# KiCad board SBC.kicad_pcb (continued)
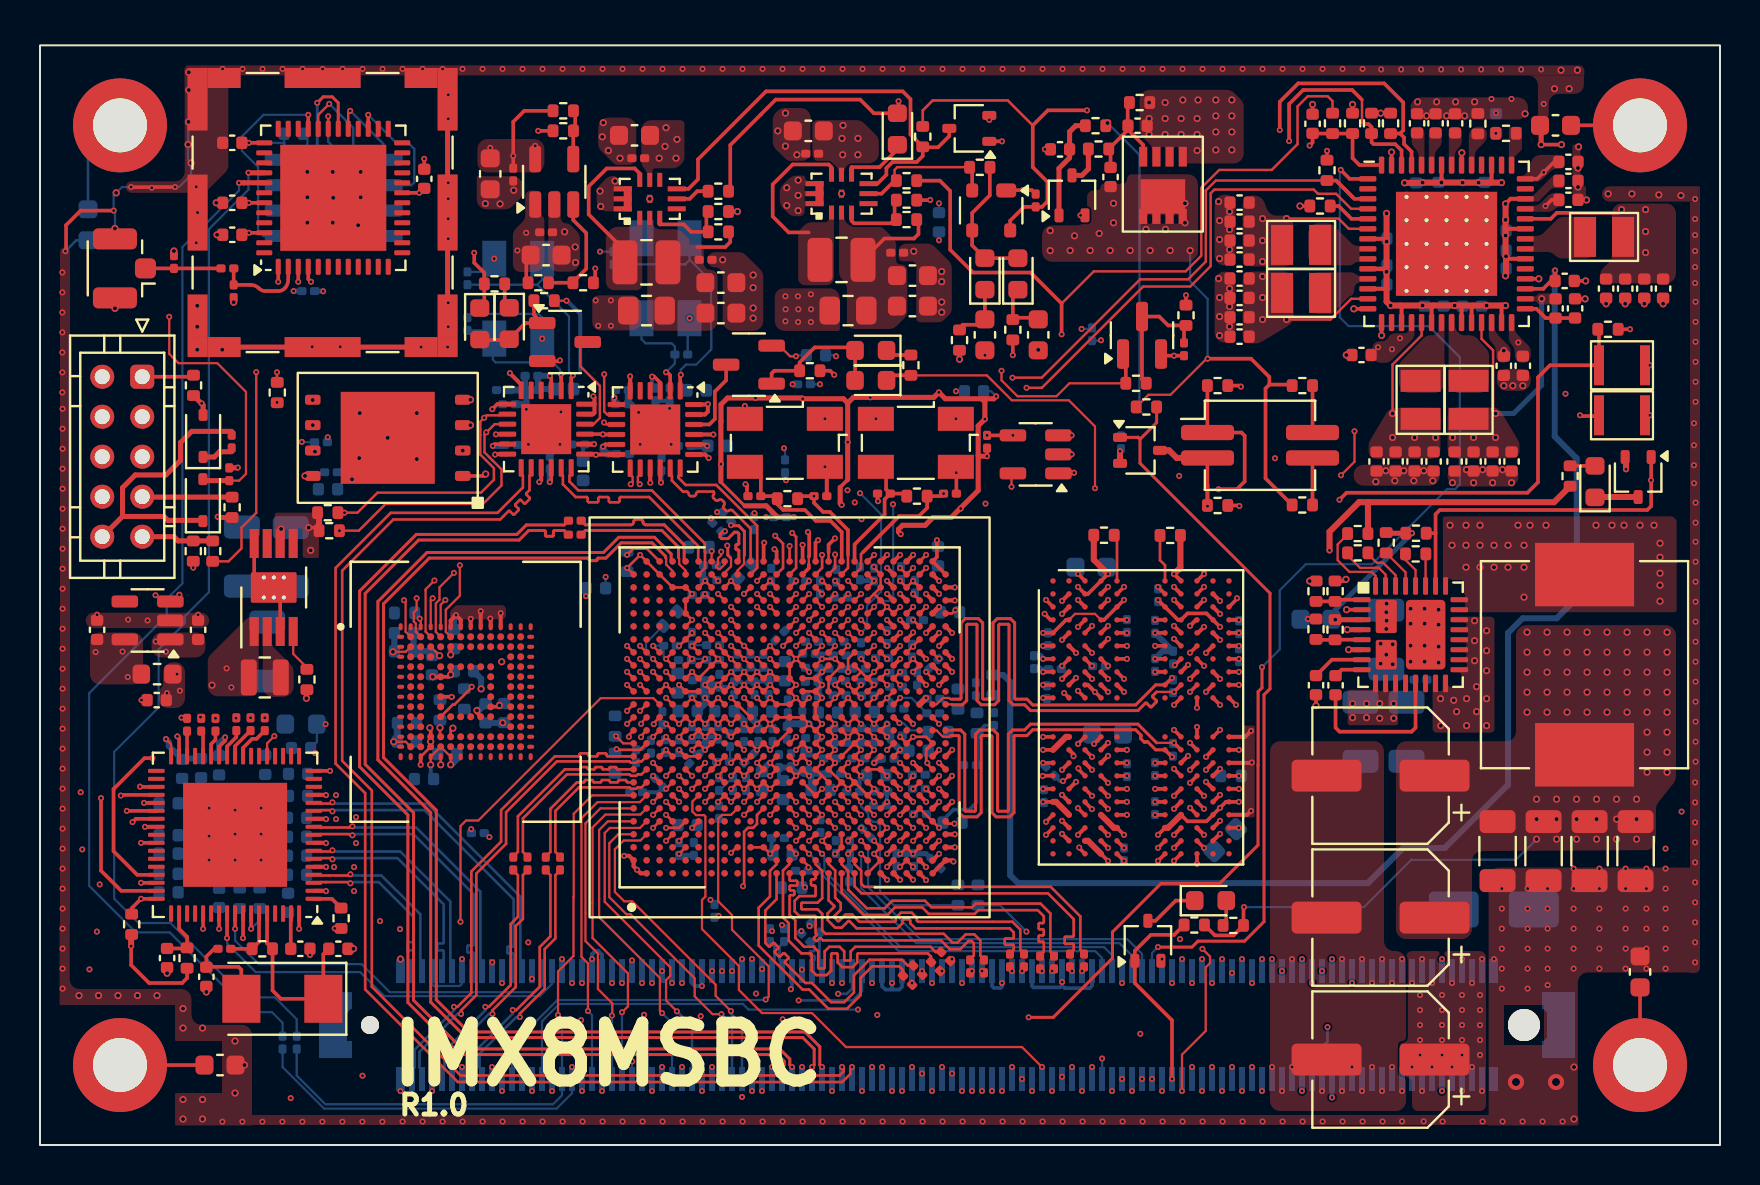
[diagram p0: board, top side]
## Routing (per net, layer and track width the routed paths; a pad name or vN(x,y) marks a point on that pad's centre or on a via; arc(x,y) is an arc through that point) (continued)
VBAT: length 70.5
  T w0.18: C16.2 75.71,49.17 v1(75.18,48.65) 74.86,48.32 U1.42
  IN2 w0.3: v1(63.1,2.7) 67.1,6.7 67.1,8.5 67.6,9 67.6,15.34 64.34,18.6 64.34,29.05 67.29,32 80.5,32 82,33.5 82,42.5 80.5,44 78,44 76,46 76,47.83 v1(75.18,48.65)
VDD_1V: length 4
  T w0.11: U17.34 6.55,20.05 v1(6.3,20.3)
  T w0.18: U17.17 v1(14.5,18.71)
  B w0.3: C329.1 7.14,19.33 ; v1(6.3,20.3) 6.44,20.16 6.44,19.96 C319.1
  vias: v1(2.78,24.65) v1(4.13,24.68) v1(4.39,23.41)
VDD_1V8: length 33.9
  T w0.11: R95.1 v1(26.32,42.23) ; U13.P5 v2(20.03,19.02)
  T w0.12: U1.19 69.08,40.49 67.63,39.04 v2(67.63,36.59)
  T w0.13: U13.P3 U13.N4
  T w0.18: v1(39.71,38.52) 39.51,38.73 R85.1 ; v1(28.71,37.38) 28.71,37.15 U15.7 ; U12.T4 v1(53.4,18.11) ; v2(20.53,24.52) U13.C6 ; v2(19.49,20.86) 19.53,20.82 U13.M4 ; U13.P3 v1(19.03,19.02) ; 19.54,20.41 19.54,19.93 ; U16.7 22.86,37.06 v1(22.61,36.81) ; U12.G9 v1(56.74,24.01) ; U12.T9 v1(56.7,18.81) ; U12.U1 v1(50.16,17.81) ; U12.F1 v1(50.16,24.96) ; U12.G4 v1(53.4,23.96) ; U12.U12 v1(59.94,17.81)
  T w0.2: v1(59.94,24.96) U12.F12
  B w0.11: 55.13,36.58 54.98,36.73 54.98,49.52 v2(53.38,51.12)
  B w0.2: 27.01,38.75 27.01,41.57 26.35,42.23 v1(26.32,42.23)
  B w0.35: C296.1 28.71,37.11 v1(28.71,37.38)
  vias: v2(19.53,20.18) v2(67.63,35.39) v2(68.73,35.39) v2(69.78,35.39)
VDD_ARM_0V9: length 19.9
  T w0.13: U9.H14 v1(33.9,22.36) U9.G14 v1(33.25,22.36) ; v1(33.9,23.01) U9.G15 v1(33.25,23.01) U9.G16 ; v1(33.9,23.01) U9.H15 v1(34.55,23.01) 34.88,22.69 v1(35.2,23.01) U9.K15 v1(35.85,23.01) U9.L15 v1(36.5,23.01) U9.M15 ; v1(33.9,23.01) U9.H16 v1(34.55,23.66) 34.88,23.34 v1(35.2,23.66) U9.K16 v1(35.85,23.66) U9.L16 v1(36.5,23.66) U9.M16
  B w0.11: C203.1 36.71,23.22 v1(36.5,23.01) ; C213.1 27.32,27.47 v1(27.3,27.45)
  B w0.2: 36.5,23.26 v1(36.5,23.66) 36.26,23.9 ; C225.2 35.74,23.18 ; 34.95,23.92 v1(35.2,23.66) 35.27,23.66 C195.2 ; C224.1 35.36,23.17 v1(35.2,23.01) 35.05,23.17 C245.2 34.43,22.9 C214.2 ; C236.2 34.62,23.66 v1(34.55,23.66) ; 35.6,23.92 v1(35.85,23.66) 35.94,23.66 C204.2
  B w0.35: 33.19,22.54 33.19,23.25 33.2,23.25 ; v1(33.25,22.36) 33.25,22.1 C194.1 ; v1(33.9,23.01) v1(33.25,23.01)
  vias: v1(27.78,42.25) v1(27.91,40.98) v1(28.54,42.25) v1(28.54,40.98)
VDD_DRAM_0V9: length 19.3
  T w0.13: v1(40.4,20.41) U9.U12 ; v1(40.4,20.41) U9.V12 v1(41.05,20.41) U9.V11 ; v1(40.4,20.41) U9.U11 ; U9.Y18 v1(42.35,24.31) ; U9.V11 v1(41.05,19.76) U9.V10 v1(41.05,19.11) U9.V9 v1(41.05,18.46) ; U9.V11 U9.U10 ; U9.Y20 v1(42.35,25.61) ; U9.V14 v1(40.4,22.36) U9.U14 ; U9.Y10 v1(41.7,19.11) ; U9.Y8 v1(42.35,17.81) ; v1(42.35,23.66) U9.Y16 v1(42.35,23.01) ; U9.V15 v1(41.05,23.01) ; U9.V15 v1(40.4,23.01) ; U9.V15 v1(41.05,22.36) ; U9.Y6 v1(42.35,17.16) ; U9.U13 v1(40.4,21.06) U9.V13 v1(41.05,21.06)
  T w0.18: U1.38 75.54,46.32 75.84,46.62 78.92,46.62 v2(79.08,46.79)
  B w0.2: v1(41.05,18.46) 40.98,18.39 C168.2 ; 42.35,16.98 42.35,17.64
  B w0.35: C239.2 41.91,19.32 v1(41.7,19.11)
  vias: v2(80.28,46.79) v2(80.28,45.69) v2(80.28,44.64)
VDD_GPU_0V9: length 12.8
  T w0.12: U1.6 65.44,45.82 64.93,46.34 v2(62.33,46.34)
  T w0.13: v1(34.55,19.11) 34.88,19.44 v1(35.2,19.11) U9.K10 ; U9.M10 v1(36.5,19.11) U9.M9 v1(36.5,18.46) ; U9.K9 v1(35.2,18.46) 34.88,18.79 v1(34.55,18.46) ; U9.L10 v1(35.85,19.11) U9.L9 v1(35.85,18.46)
  B w0.11: C246.1 34.5,19.2 ; 34.55,18.3 34.03,17.78 ; C155.1 v1(44.95,45.25) ; v1(39.8,39.45) 39.75,39.5 C174.1
  B w0.3: 36.05,18.69 36.49,19.13
  vias: v1(35.72,31.61) v2(61.13,46.34) v2(61.13,45.24) v2(61.13,44.19)
VDD_PHY_0V9: length 13.1
  T w0.13: U9.G22 v1(33.25,27.56) U9.F22 ; U9.C12 v1(30.65,20.41) ; U9.F18 v1(32.6,24.96) U9.F19 ; U9.V3 v1(40.4,14.56) ; U9.E11 v1(31.95,20.41) U9.E12 ; U9.D11 v1(31.3,20.41) U9.C11 ; U9.F17 v1(33.25,24.31) ; U9.E18 v1(32.6,24.31) U9.E17 ; U9.D12 v1(31.3,21.06) ; U9.F23 v1(33.25,28.21) U9.G23 ; U9.U4 U9.U3 v1(39.75,14.56)
  B w0.11: 31.91,23.59 C123.2 ; v1(33.25,24.31) 32.63,24.31 ; C118.2 32.6,25
  B w0.2: C125.1 40.45,14.52 ; C117.1 30.13,19.82 29.8,19.82
  B w0.25: C114.2 33.18,28.28
  vias: v1(66.9,39.9) v1(67.6,39.8) v1(68,40.35)
VDD_PHY_1V8: length 3.2
  T w0.13: U9.C18 v1(30.65,24.96) ; v1(38.42,13.88) 38.42,13.95 U9.P2 ; U9.D17 v1(31.3,24.31) U9.D18
  IN3 w0.5: 38.42,13.83 v1(38.42,13.88)
  B w0.11: v1(31.3,24.31) 31.18,24.44 C232.1 30.66,24.98 v1(30.65,24.96)
  vias: v1(56.6,8.1) v2(73.19,39.73)
VDD_PHY_3V3: length 7.9
  T w0.13: U9.H23 v1(34.55,28.21) 34.88,27.89 ; v1(32.6,19.76) U9.F11 v1(33.25,19.76) U9.G11 v1(33.9,20.41) U9.G12 v1(33.25,20.41) U9.F12 v1(32.6,20.41)
  T w0.18: v1(75.27,46.97) 75.58,47.27 C63.1
  B w0.25: 33.25,20.23 v1(33.25,19.76) 33.15,19.76 C193.1 ; 32.84,19.53 v1(32.6,19.76) ; v1(33.9,20.41) v1(32.6,20.41)
VDD_SNVS_0V9: length 5.4
  T w0.13: U9.R18 v1(39.1,24.96)
  T w0.18: v1(22.51,49.88) 22.51,49.88 C69.1 ; C66.1 23.66,51.18 24.21,51.73 25.56,51.73
  vias: v1(23.66,49.48) v1(24.76,49.98) v1(72.79,50.6)
VDD_SOC_0V9: length 22
  T w0.13: v1(36.5,21.06) U9.L13 v1(35.85,21.06) U9.K12 v1(35.2,21.06) ; v1(36.5,21.06) U9.M12 ; v1(36.5,21.06) U9.L12 ; v1(36.5,21.06) U9.M13 U9.N13 U9.P13 v1(38.45,21.06) ; U9.R12 v1(38.45,21.06) ; U9.R12 v1(39.1,21.06) U9.R13 U9.R14 v1(39.1,22.36) U9.R15 ; U9.R12 v1(39.1,20.41) U9.R11 v1(39.1,19.76) U9.R10 ; v1(38.45,21.06) U9.P12 ; U9.R16 v1(39.1,23.01) U9.R15 ; U9.R16 v1(39.1,23.66) U9.T17 ; U9.R16 U9.P16 ; 39.1,18.46 U9.T8 ; 39.1,18.46 U9.R8 ; 39.1,18.46 U9.R9 v1(39.1,19.11) ; U9.P15 U9.R15
  B w0.11: v1(37.2,34.85) 37.25,34.8 C201.1 ; v1(36.3,31.4) 36.3,31.4 C192.2 ; C252.2 v1(37.63,38.05)
  B w0.25: C210.1 37.39,20.97
  B w0.3: v1(39.1,23.66) 38.9,23.46 C243.2 39.06,23.01 v1(39.1,23.01) 38.93,22.84 C211.2 ; v1(39.1,23.66) 39.26,23.82 FB2.2 ; v1(39.1,23.66) 38.91,23.85
  B w0.35: v1(38.45,21.06) C180.2 37.48,21.06 37.34,20.92 ; 35.6,21.68 35.6,21.32 v1(35.85,21.06) ; v1(35.2,21.06) 35.2,21.2 C191.1
  vias: v1(37.27,42.45) v1(37.28,41.8) v1(37.27,41.2) v1(37.9,42.45) v1(37.92,41.8) v1(37.91,41.16) v1(38.54,42.55) v1(38.55,41.8) v1(38.54,41.16)
VDD_VPU_0V9: length 12.4
  T w0.12: U1.13 65.56,42.32 64.52,41.29 v2(62.33,41.29)
  T w0.13: v1(37.8,18.46) U9.P9 v1(38.45,18.46) ; v1(37.8,18.46) U9.N9 ; v1(37.8,18.46) U9.N8 ; U9.N10 v1(37.8,19.11) U9.P10 v1(38.45,19.11)
  B w0.11: C181.2 53.03,40.23 v1(53.05,40.25)
  B w0.2: C152.1 36.95,18.43 C183.1
  B w0.3: C183.1 37.55,18.88 37.79,18.64 38.33,18.64 38.56,18.41 C130.1 ; C164.1 38.39,18.58
  vias: v2(61.13,43.44) v2(61.13,42.39) v2(61.13,41.29)
VDDA_1V8: length 9
  T w0.13: U9.U23 v1(39.75,28.21) ; U9.K14 v1(35.2,22.36) ; 41.38,23.99 v1(41.05,24.31) ; U9.N11 v1(37.8,20.41) ; 41.38,27.89 v1(41.7,28.21) 41.38,28.54 ; U9.T15 U9.T16 U9.U17 v1(39.75,24.31) v1(39.1,24.31) U9.R17 ; U9.AA11 v1(42.35,19.76)
  B w0.11: C131.2 v1(45.8,37.7)
  B w0.2: 39.1,24.58 v1(39.1,24.31) 39.04,24.31 C135.2 39.1,24.58 ; 39.1,24.58 39.59,24.58
  B w0.25: 41,28.23 41.68,28.23
  vias: v1(73.91,40.14)
VIN: length 21.9
  T w0.25: U2.6 v2(65.43,24.77)
  T w0.3: 66.4,32.15 75.7,32.15 R76.1 ; 66.4,32.15 65.95,32.15 64.48,30.68 v1(64.48,29.74) ; 66.4,32.15 66.4,32.15 R5.1
  IN6 w0.3: v1(64.48,29.74) 64.3,29.57 64.3,25.45 64.97,24.77 v2(65.43,24.77)
  vias: v1(68.6,8.1) v1(68.6,3.9) v1(69,7.5) v1(69,6.75) v1(69,6) v1(69,5.25) v1(69,4.5) v1(69.1,9.3) v1(69.1,2.7) v1(69.6,8.1) v1(69.6,3.9) v1(70.1,7.5) v1(70.1,6.75) v1(70.1,6) v1(70.1,5.25) v1(70.1,4.5) v1(70.6,8.1) v1(70.6,3.9) v1(71.1,9.3) v1(71.1,7.5) v1(71.1,6.75) v1(71.1,6) v1(71.1,5.25) v1(71.1,4.5) v1(71.1,2.7) v1(71.6,8.1) v1(71.6,3.9) v1(72,7.5) v1(72,6.75) v1(72,6) v1(72,5.25) v1(72,4.5) v1(72.1,9.3) v1(72.1,2.7) v2(65.63,22.07) v2(65.63,21.37) v2(66.33,22.07) v2(66.33,21.37) v2(66.98,22.07) v2(66.98,21.35) v2(67.03,25.07) v2(67.03,24.07) v2(67.31,24.52) v2(67.63,25.05) v2(67.63,24.05) v2(67.68,22.07) v2(67.68,21.35)
(no net): length 5.8
  B w0.11: 14.65,5.44 15.32,4.78 J1.222.2 ; J1.222 15.48,6.83 J1.222.1 ; J1.221.1 75.22,6.83 J1.221 75.22,5.18 J1.221.2
/IO/25MHZ_P1I: length 12.9
  T w0.18: U15.1 32.01,38.49 v1(32.04,38.52)
  B w0.11: 32.48,44.27 32.25,44.05 C292.1 ; 32.48,44.27 33.56,43.18 33.56,39.79 32.8,39.03 32.29,39.03 32.04,38.78 v1(32.04,38.52) ; 32.48,44.27 Y3.3
/IO/25MHZ_P1O: length 5.4
  T w0.18: U15.2 31.51,38.5 31.36,38.65 v1(31.3,38.65)
  B w0.11: v1(31.3,38.65) 31.75,39.1 C293.1 31.75,39.94 31.58,40.1 30.28,40.1 30.08,40.3 Y3.1
/IO/25MHZ_P2I: length 11
  T w0.18: v1(26.65,38.5) 26.65,38.47 26.56,38.38 U16.1
  B w0.11: Y4.3 25.11,43.28 24.86,43.03 ; v1(26.65,38.5) 26.45,38.7 26.45,41.44 24.86,43.03 ; 24.86,43.03 C301.1
/IO/25MHZ_P2O: length 6.5
  T w0.18: v1(26.05,38.55) 26.05,38.4 26.06,38.39 U16.2
  B w0.11: 22.64,40.26 22.64,39.29 22.78,39.15 25.63,39.15 26,38.78 26,38.6 v1(26.05,38.55) ; C302.1 22.3,40.74
/IO/ENET_2.5V_A: length 3.2
  T w0.2: U17.11 14.29,16.31 v1(14.3,16.3) ; v1(14.3,15.1) 14.29,15.11 U17.8 ; v1(14.3,12.7) 14.29,12.71 U17.2
  B w0.11: C321.1 13.84,20.16 FB7.2
  vias: v1(13.75,19.6) v1(14.28,21.05)
/IO/LED0: length 18.6
  T w0.18: U17.60 v1(9.75,10.81)
  B w0.11: J1.A15 25.1,7.99 24.76,7.65 17.48,7.65 16.08,9.05 10.93,9.05 9.75,10.22 v1(9.75,10.81)
/IO/LED1: length 19.7
  T w0.18: U17.59 9.35,10.35 v1(9.35,10.35)
  B w0.11: J1.A16 25.6,8.06 24.98,7.45 17.21,7.45 16.01,8.65 10.78,8.65 9.35,10.07 9.35,10.35 v1(9.35,10.35)
/IO/LNA_IN: length 4.6
  T w0.18: U19.2 12.41,43.29 arc(12.36,43.04) 12.23,42.84 arc(12.09,42.75) 11.92,42.71 11.26,42.71 arc(11.1,42.75) 10.96,42.84 arc(10.76,42.98) 10.52,43.02 C313.1 9.68,43.84
/IO/PCIE1_REQ: length 4.1
  T w0.18: Q8.3 34.31,38.25 33.74,37.69 33.74,36.32 33.47,36.04 U15.22
/IO/PCIE2_REQ: length 5.1
  T w0.12: U16.22 27.68,36.06 27.99,36.37 27.99,37.97 27.01,38.95 27.01,40.15
/IO/RAM_CS: length 4.1
  T w0.12: U19.29 15.41,51.63 v1(15.51,51.73)
  B w0.12: v1(15.51,51.73) 17.16,50.08 U18.1
/IO/SCLK: length 8.3
  T w0.12: v1(14.41,51.45) U19.31
  B w0.12: U18.6 14.72,46.74 15.16,47.18 15.16,49.42 14.41,50.18 v1(14.41,51.45)
/IO/SIO0: length 10.9
  T w0.18: U19.33 v1(13.41,51.53)
  B w0.11: U18.5 11.18,45.47 10.91,45.74 10.91,48.91 10.09,49.73 10.09,50.45 11.18,51.53 v1(13.41,51.53)
/IO/SIO1: length 7
  T w0.18: U19.27 v1(16.41,51.53)
  B w0.11: U18.2 18.57,48.01 18.71,48.16 18.71,49.83 18.37,50.17 17.77,50.17 v1(16.41,51.53)
/IO/SIO2: length 8.7
  T w0.12: U19.32 13.91,51.53 v1(14.46,52.08)
  B w0.12: U18.3 15.9,46.74 15.66,46.98 15.66,50.88 v1(14.46,52.08)
/IO/SIO3: length 8.2
  T w0.15: v1(13.86,52.13) 14.16,52.43 14.61,52.43 14.91,52.13 U19.30
  B w0.15: v1(13.86,52.13) 13.86,48.29 13.58,48.01 U18.7
/IO/XTAL1: length 2.8
  T w0.18: 9.73,9.81 R109.1 10.95,10.16 U17.63
/IO/XTAL2: length 9.3
  T w0.18: C320.1 14.17,9.54 Y5.1 12.04,7.31 11.63,7.73 R109.2 11.35,10.09 U17.64
/MPU/25MHZ_I: length 7.2
  T w0.18: 40.09,29.2 40.09,30.65 39.52,31.22 38.79,31.22 38.24,31.77 37.15,31.77 36.86,32.06 R54.2 ; 36.73,32.46 C133.1 36.04,33.45
/MPU/25MHZ_O: length 9.7
  T w0.13: U9.U24 40.4,28.86 40.4,29.53
  T w0.18: 38.01,32.46 v1(38.7,32.46) 38.7,32.12 39.15,31.67 39.49,31.67 40.4,30.76 40.4,29.53
  IN4 w0.11: v1(39.24,36.32) 38.7,35.78 v1(38.7,32.46)
/MPU/27MHZ_I: length 5.7
  T w0.18: U9.V25 40.73,30.04 42.23,31.54 42.23,32.3 C149.1 ; C149.1 42.3,32.79 42.3,33.41 ; C149.1 43.21,32.58
/MPU/27MHZ_O: length 15.1
  T w0.13: U9.V24 41.05,28.86 41.05,29.55 41.15,29.66
  T w0.18: 41.15,29.66 42.95,31.46 43.94,31.46 44.36,31.87 R55.1 45.05,32.46 v1(45.18,32.58)
  IN4 w0.11: v1(45.79,36.32) 43.95,36.32 42.51,34.89 42.51,33.7 43.63,32.58 v1(45.18,32.58)
/MPU/HD0_N: length 14.9
  T w0.13: 46.51,9.29 46.69,9.47 46.69,10.1 46.58,10.21 46.42,10.21 46.01,9.8 45.49,9.8 45.05,10.24 39.14,10.24 39.04,10.34 38.98,10.34 38.85,10.21 38.8,10.21 38.7,10.31 38.7,10.36 38.83,10.5 38.83,10.55 38.78,10.6 38.78,11.42 38.74,11.46 37.97,11.46 37.73,11.69 37.73,12.22 37.97,12.45 38.74,12.45 38.78,12.49 38.78,12.92 arc(38.76,12.97) 38.71,12.98 38.61,12.98 arc(38.57,13) 38.55,13.05 38.55,13.23 arc(38.57,13.28) 38.61,13.29 38.71,13.29 arc(38.76,13.31) 38.78,13.36 U9.R1
/MPU/HD0_P: length 14.9
  T w0.13: 47.2,9.29 47.02,9.47 47.02,10.23 46.71,10.54 46.28,10.54 45.87,10.13 45.62,10.13 45.18,10.57 39.28,10.57 39.11,10.74 39.11,11.56 38.88,11.79 38.1,11.79 38.06,11.83 38.06,12.08 38.1,12.12 38.88,12.12 39.11,12.35 39.11,13.71 38.78,14.04 U9.R2
/MPU/HD1_N: length 14.9
  T w0.13: C111.1 49.2,9.58 49.02,9.77 49.02,10.77 48.62,11.17 43.91,11.17 43.84,11.23 43.84,11.36 43.59,11.62 43.05,11.62 42.79,11.36 42.79,11.23 42.73,11.17 40.97,11.17 40.6,11.53 40.28,11.53 39.95,11.2 39.89,11.2 39.71,11.39 39.71,11.44 40.04,11.77 40.04,12.1 39.76,12.37 39.76,13.73 39.43,14.06 U9.T2
/MPU/HD1_P: length 14.9
  T w0.13: 48.5,9.58 48.68,9.77 48.68,9.98 48.65,10.02 48.27,10.02 48.24,10.06 48.24,10.29 48.27,10.33 48.65,10.33 48.68,10.37 48.68,10.64 48.49,10.84 43.77,10.84 43.51,11.09 43.51,11.23 43.45,11.29 43.18,11.29 43.12,11.23 43.12,11.09 42.87,10.84 40.83,10.84 40.47,11.2 40.41,11.2 40.09,10.87 39.76,10.87 39.38,11.25 39.38,11.58 39.71,11.91 39.71,11.96 39.43,12.24 U9.T1
/MPU/HD2_N: length 14.9
  T w0.13: 50.01,9.48 50.19,9.66 50.19,10.13 50.15,10.17 49.97,10.17 49.93,10.21 49.93,10.44 49.97,10.48 50.15,10.48 50.19,10.52 50.19,10.75 50.15,10.79 49.97,10.79 49.93,10.83 49.93,11.06 49.97,11.1 50.15,11.1 50.19,11.14 50.19,11.45 49.89,11.75 46.92,11.75 46.73,11.56 44.44,11.56 44.11,11.88 42.75,11.88 42.37,11.51 41.2,11.51 40.08,12.63 U9.U1
/MPU/HD2_P: length 14.9
  T w0.13: C104.1 50.7,9.48 50.52,9.66 50.52,11.58 50.02,12.08 46.78,12.08 46.6,11.89 44.57,11.89 44.25,12.22 42.61,12.22 42.24,11.84 41.34,11.84 40.41,12.77 40.41,13.46 40.41,13.46 40.41,13.71 40.08,14.04 U9.U2
/MPU/HD3_N: length 14.9
  T w0.13: U9.V2 40.73,14.04 41.06,13.71 41.06,13.07 41.22,12.92 50.53,12.92 52.02,11.43 52.02,9.77 52.2,9.58 C107.1
/MPU/HD3_P: length 14.9
  T w0.13: U9.V1 40.73,12.94 41.08,12.59 50.4,12.59 51.68,11.3 51.68,10.46 51.65,10.42 51.27,10.42 51.24,10.38 51.24,10.1 51.27,10.06 51.65,10.06 51.68,10.02 51.68,9.77 51.5,9.58
/MPU/HD4_N: length 14.9
  T w0.13: U9.N1 37.48,13.25 37.52,13.22 37.83,13.22 37.86,13.18 37.86,13.01 37.83,12.98 37.52,12.98 37.48,12.94 37.48,12.77 37.52,12.74 37.68,12.74 37.71,12.7 37.71,12.53 37.68,12.5 37.52,12.5 37.48,12.46 37.48,11.52 37.77,11.23 37.77,10.36 38.21,9.92 38.68,9.92 38.91,9.68 38.91,8.87 38.95,8.83 39.19,8.83 39.23,8.87 39.23,9.68 39.46,9.92 39.98,9.92 40.21,9.68 40.21,9.27 40.25,9.23 40.49,9.23 40.53,9.27 40.53,9.68 40.76,9.92 44.53,9.92 44.78,9.66 C109.1
/MPU/HD4_P: length 14.9
  T w0.13: U9.N2 37.48,14.06 37.15,13.73 37.15,11.38 37.43,11.1 37.43,10.22 38.07,9.59 38.54,9.59 38.58,9.55 38.58,8.73 38.81,8.5 39.33,8.5 39.56,8.73 39.56,9.55 39.6,9.59 39.84,9.59 39.88,9.55 39.88,9.13 40.11,8.9 40.63,8.9 40.86,9.13 40.86,9.55 40.9,9.59 44.39,9.59 44.55,9.42 C103.1
/MPU/HD5_N: length 14.9
  T w0.13: U9.M2 36.83,14.04 36.5,13.71 36.5,13.46 36.5,13.46 36.5,12.43 35.93,11.87 35.93,9.97 38.13,7.78 38.46,7.78 39.42,6.82 40.35,6.82 41.02,7.49 41.02,8.35 41.61,8.94 42.96,8.94 43.15,8.75 C108.1
/MPU/HD5_P: length 14.9
  T w0.13: U9.M1 36.83,12.3 36.27,11.73 36.27,10.11 36.44,9.94 36.49,9.94 36.65,10.1 36.71,10.1 36.91,9.9 36.91,9.85 36.74,9.68 36.74,9.63 36.94,9.43 37,9.43 37.16,9.59 37.22,9.59 37.42,9.39 37.42,9.34 37.25,9.17 37.25,9.12 38.27,8.11 38.6,8.11 39.56,7.15 40.21,7.15 40.7,7.63 40.7,8.49 41.47,9.27 43.1,9.27 43.38,8.98 C102.1
/MPU/pi2_N: length 6.8
  T w0.15: C96.1 27.27,31.02 29.54,31.02 arc(29.64,31.06) 29.68,31.16 arc(29.72,31.26) 29.82,31.3 30.01,31.3 arc(30.11,31.26) 30.15,31.16 arc(30.19,31.06) 30.29,31.02 31.21,31.02 32.21,30.02 32.21,29.26 U9.E25
/MPU/pi2_P: length 6.8
  T w0.11: U9.E24 32.28,28.74 31.96,29.06 31.96,29.34 31.93,29.37
  T w0.15: 31.93,29.37 31.93,29.91 31.09,30.74 27.27,30.74 C95.1
/MPU/pi_N: length 3.1
  T w0.15: 34.94,29.25 34.94,29.73 34.9,29.78 34.84,29.78 34.79,29.82 34.79,29.99 34.84,30.04 34.9,30.04 34.94,30.08 34.94,30.57 34.86,30.65 34.72,30.65 34.4,30.33 34.08,30.33 34,30.41 34,30.54 34.16,30.7 v1(34.25,30.7)
/MPU/pi_P: length 3.1
  T w0.11: 35.22,29.5 35.2,29.48 35.2,29.06 34.88,28.74 34.88,28.54
  T w0.15: v1(34.55,31) 34.57,30.98 34.93,30.98 35.22,30.69 35.22,29.5
/MPU/RTC_CLK: length 14.2
  T w0.11: v1(48.57,32.93) 48.57,33.38
  T w0.12: U9.V22 v1(41.05,27.56)
  IN2 w0.11: v1(41.05,27.56) 40.95,27.67 40.95,28.69 40.74,28.91 v1(40.74,32.14)
  IN4 w0.11: v1(48.57,32.93) 46.01,32.93 45.31,32.23 43.46,32.23 42.9,31.67 41.21,31.67 v1(40.74,32.14)
/MPU/RTC_nRST: length 30.2
  T w0.11: v1(48.07,38.73) 48.07,38.25 48.88,37.45 50.82,37.45 51.48,38.1 R61.1
  T w0.12: 41.38,25.29 v1(41.7,25.61)
  T w0.18: R61.1 54.29,39.42
  IN4 w0.11: v1(48.07,38.73) 42.43,38.73 39.64,35.94 39.64,33.05 39.53,32.95 39.53,31.55 40.43,30.65 40.43,29.07 42,27.5 42,25.91 v1(41.7,25.61)
/MPU/U1_RX_N: length 15.7
  T w0.13: v1(30.05,20.4) 30.05,20.46 U9.B12
  IN2 w0.12: v1(38.47,10.96) 38.27,10.96 38.02,11.2 37.74,11.2 36.82,12.12 34.78,12.12 34.42,12.48 34.42,12.6 34.18,12.84 34.06,12.84 33.66,13.24 32.52,13.24 29.89,15.87 29.89,20.25 v1(30.05,20.4)
/MPU/U1_RX_P: length 15.7
  T w0.13: v1(29.44,20.42) 29.44,20.5 U9.A12
  IN2 w0.12: v1(38.07,10.7) 38.07,10.76 37.91,10.92 37.62,10.92 36.7,11.84 34.66,11.84 33.54,12.96 32.4,12.96 29.61,15.75 29.61,20.25 v1(29.44,20.42)
/MPU/U1_TX_N: length 17.8
  T w0.11: v1(30.05,21.07) 30.05,21.11 U9.B13
  IN2 w0.11: v1(30.05,21.07) 29.78,21.07 29.5,20.79 29.5,20.79
  IN2 w0.12: 29.5,20.79 29.47,20.75 29.2,20.75 29.17,20.79 28.68,20.79 28.03,20.13 28.03,16.63 33.52,11.14 36.66,11.14 36.8,11 v1(37.1,11)
/MPU/U1_TX_P: length 17.8
  T w0.13: U9.A13 v1(29.36,21.07)
  IN2 w0.12: v1(36.6,10.7) 36.6,10.8 36.54,10.86 33.4,10.86 27.75,16.51 27.75,20.25 28.17,20.67 28.17,20.72 28.07,20.81 28.07,20.87 28.28,21.07 28.33,21.07 28.42,20.97 28.47,20.97 28.57,21.07 v1(29.35,21.07)
/MPU/U2_RX_N: length 7.6
  T w0.13: 26,14.43 25.77,14.66 25.77,16.71 26.95,17.89 29.48,17.89 29.55,17.82 29.81,17.82 29.88,17.89 30.08,17.89 U9.B8
/MPU/U2_RX_P: length 7.6
  T w0.13: 25.29,14.43 25.52,14.66 25.52,16.82 26.84,18.14 27.19,18.14 27.23,18.18 27.23,18.21 27.27,18.26 27.61,18.26 27.65,18.21 27.65,18.18 27.69,18.14 28.03,18.14 28.07,18.18 28.07,18.21 28.11,18.26 28.45,18.26 28.49,18.21 28.49,18.18 28.53,18.14 28.87,18.14 28.91,18.18 28.91,18.21 28.95,18.26 29.29,18.26 29.33,18.21 29.33,18.18 29.37,18.14 U9.A8
/MPU/U2_TX_N: length 9.3
  T w0.13: U9.B9 30.08,18.54 29.88,18.54 29.81,18.47 29.55,18.47 29.48,18.54 26.35,18.54 24.14,16.34 24.14,14.66 24.37,14.43
/MPU/U2_TX_P: length 9.3
  T w0.13: 23.66,14.43 23.89,14.66 23.89,16.44 26.24,18.79 26.99,18.79 27.03,18.83 27.03,18.86 27.07,18.9 27.35,18.9 27.39,18.86 27.39,18.83 27.43,18.79 27.71,18.79 27.75,18.83 27.75,18.86 27.79,18.9 28.07,18.9 28.11,18.86 28.11,18.83 28.15,18.79 28.43,18.79 28.47,18.83 28.47,18.86 28.51,18.9 28.79,18.9 28.83,18.86 28.83,18.83 28.87,18.79 U9.A9
/POWER/MNRST: length 6.7
  T w0.18: D3.2 D4.2 46.61,44.99 U8.3 46.61,46.62 47.49,47.5 47.49,48.81
/POWER/P_MODE: length 22.8
  T w0.18: R25.2 43.52,50.54 43.52,52.31 43.13,52.7 36.3,52.7 32.9,49.3 32.9,48.3 32.43,47.83 U5.6 ; 44.2,49.9 44.9,49.9 45.47,50.47 Q3.3 ; U7.6 41.87,48.08 42.32,48.53 42.32,48.86 42.62,49.17 43.83,49.17 44.14,49.47 44.14,49.84
/POWER/PMIC_ON: length 40.9
  T w0.18: C49.1 63.63,50.14 v1(63.48,49.99) ; D2.2 41.69,51.6 41.01,52.29 36.79,52.29 36.04,51.54 36.04,51.54 34.51,50.01 34.51,47.71 ; 63.64,50.59 R13.2 R11.1 65.63,49.36 65.98,49.01 U1.56 ; v1(42.93,52.21) 42.93,51.66
  IN4 w0.18: v1(63.48,49.99) 63.19,49.99 62.93,50.25 62.93,51.55 61.33,53.15 43.83,53.15 42.93,52.24 v1(42.93,52.21)
/POWER/SIC4020A_VDD: length 8.5
  T w0.25: U2.3 v2(64.76,26.27) ; v1(68.6,30.6) 67.34,30.6
  B w0.25: v1(68.6,30.6) 65.17,27.17 65.16,27.17 64.93,26.94 64.93,26.93 64.76,26.76 v2(64.76,26.27)
/POWER/SOC_EN: length 6.8
  T w0.12: 42.73,48.23 42.73,48.77 42.87,48.91 46.38,48.91
  T w0.18: U7.5 42.08,47.58 42.73,48.23 ; 46.61,48.69 U8.2
BOOT_MODE0: length 49.2
  T w0.13: 41.38,16.84 v1(41.7,16.51)
  T w0.18: 58.37,33 58.38,33 v1(58.38,31.95) ; 58.37,33 58.37,34.36 ; 58.37,33 R82.1
  T w0.3: Q7.3 56.46,34.74 56.84,34.37 SW3.2
  IN4 w0.11: v1(41.7,16.51) 42,16.22 42,11.8 43.32,10.48 45.97,10.48 46.45,10 52.53,10 52.73,10.2 52.97,10.2 52.98,10.2 54.4,10.2 59.39,15.19 59.39,19.65 58.5,20.54 58.5,21.64 57.85,22.29 57.85,31.43 v1(58.38,31.95)
BOOT_MODE1: length 52.6
  T w0.13: U9.V6 v1(41.05,16.51)
  T w0.18: SW3.1 60.07,35.64 60.23,35.48 60.23,33.19 59.85,32.8 v1(58.93,32.8) ; R80.1 58.37,35.64
  IN4 w0.11: v1(58.93,32.8) 58.93,29 58.69,28.77 58.69,22.78 59.48,22 59.48,21.85 59.65,21.68 59.65,15.1 54.55,10 53.06,10 53.06,10 52.81,10 52.62,9.8 46.37,9.8 45.89,10.28 43.24,10.28 41.4,12.12 41.4,16.2 41.09,16.51 v1(41.05,16.51)
BOOT_SEL: length 37.1
  T w0.15: v1(55.9,9.9) 57.6,9.9 57.9,10.2 60.22,10.2 61.2,11.17 61.2,22.52 61.5,22.82 61.5,27.6 55,34.1 55,35.3 ; 55,35.3 54.9,35.4 54.89,35.39 Q7.1 ; 55,35.3 55.83,36.13 R84.2
  B w0.11: J1.A76 55.6,9.6 v1(55.9,9.9)
CLK1_N: length 0.5
  T w0.13: U9.T23 v1(39.1,28.21)
CLK1_P: length 0.5
  T w0.13: U9.R23 v1(39.1,27.56)
CLK2_N: length 0.5
  T w0.13: U9.U22 v1(40.4,27.56)
CLK2_P: length 0.5
  T w0.13: U9.T22 v1(39.75,27.56)
DRAM_CA0_A: length 21.5
  T w0.2: U12.H2 v1(51.1,23.31) ; v1(44.95,23.66) U9.AD17
  IN6 w0.13: v1(44.95,23.66) 44.95,23.91 45.03,23.99 45.94,23.99 46.15,24.2 46.21,24.2 46.57,23.84 46.62,23.84 46.81,24.04 46.81,24.09 46.46,24.45 46.46,24.51 46.94,24.99 47.12,24.99 47.16,24.95 47.16,23.67 47.19,23.63 47.51,23.63 47.55,23.67 47.55,24.95 47.58,24.99 47.9,24.99 47.94,24.95 47.94,23.67 47.97,23.63 48.29,23.63 48.33,23.67 48.33,24.95 48.36,24.99 48.68,24.99 48.72,24.95 48.72,23.67 48.75,23.63 49.07,23.63 49.11,23.67 49.11,24.95 49.14,24.99 49.68,24.99 49.84,24.83 49.84,24.47 49.55,24.18 49.55,23.79 49.65,23.69 49.73,23.69 50.02,23.98 50.29,23.98 50.43,23.84 50.49,23.84 50.84,24.19 50.84,24.54 50.93,24.63 51.32,24.63 51.91,24.04 51.91,23.76 51.85,23.7 51.27,23.7 51.1,23.53 v1(51.1,23.31)
DRAM_CA0_B: length 21.8
  T w0.2: U9.AE8 v1(45.6,18.46) ; U12.R2 v1(51.1,18.76)
  IN6 w0.13: v1(51.1,18.76) 51.47,18.4 51.47,18.01 51.79,17.69 52.01,17.69 52.12,17.8 52.46,17.8 52.5,17.84 52.5,18.4 52.54,18.44 52.83,18.44 52.87,18.4 52.87,17.84 52.91,17.8 53.75,17.8 54.1,18.15 54.48,18.15 54.72,18.39 55.34,18.39 55.4,18.33 55.4,17.93 55.36,17.89 54.98,17.89 54.94,17.85 54.94,17.56 54.98,17.52 55.36,17.52 55.4,17.48 55.4,17.19 55.36,17.15 54.98,17.15 54.94,17.11 54.94,16.82 54.98,16.78 55.36,16.78 55.4,16.74 55.4,16.43 55.17,16.2 51.62,16.2 51.28,16.54 48.35,16.54 46.43,18.46 v1(45.6,18.46)
DRAM_CA1_A: length 18
  T w0.2: U12.J2 v1(51.8,23.36) ; v1(44.95,23.01) U9.AE16
  IN6 w0.13: v1(51.8,23.36) 51.41,22.97 50.8,22.97 50.44,23.33 49.95,23.33 49.74,23.12 49.34,23.12 49.3,23.08 49.3,22.15 49.26,22.11 48.96,22.11 48.92,22.15 48.92,23.08 48.88,23.12 48.58,23.12 48.54,23.08 48.54,22.15 48.5,22.11 48.2,22.11 48.16,22.15 48.16,23.08 48.12,23.12 47.82,23.12 47.78,23.08 47.78,22.15 47.74,22.11 47.44,22.11 47.4,22.15 47.4,23.08 47.36,23.12 47.06,23.12 47.02,23.08 47.02,22.15 46.98,22.11 46.68,22.11 46.64,22.15 46.64,23.08 46.6,23.12 46.3,23.12 46.26,23.08 46.26,22.15 46.22,22.11 45.92,22.11 45.88,22.15 45.88,23.08 45.84,23.12 45.65,23.12 45.46,22.93 45.04,22.93 v1(44.95,23.01)
DRAM_CA1_B: length 21.4
  T w0.2: U12.P2 51.68,19.54 v1(51.68,19.45) ; U9.AE9 v1(44.95,19.11)
  IN6 w0.13: v1(51.68,19.45) 51.74,19.51 51.76,19.51 51.8,19.54 51.8,19.7 51.31,20.19 51,20.19 50.69,19.88 50.69,19.6 50.52,19.43 49.81,19.43 49.77,19.39 49.77,17.54 49.73,17.51 49.45,17.51 49.41,17.54 49.41,19.39 49.37,19.43 49.09,19.43 49.05,19.39 49.05,17.54 49.01,17.51 48.73,17.51 48.69,17.54 48.69,19.39 48.65,19.43 48.37,19.43 48.33,19.39 48.33,17.89 48.29,17.86 48.01,17.86 47.97,17.89 47.97,19.39 47.93,19.43 47.65,19.43 47.61,19.39 47.61,18.59 47.57,18.56 47.29,18.56 47.25,18.59 47.25,19.39 47.21,19.43 46.93,19.43 46.89,19.39 46.89,19.27 46.85,19.23 46.57,19.23 46.53,19.27 46.53,19.39 46.49,19.43 46.25,19.43 45.93,19.11 v1(44.95,19.11)
DRAM_CA2_A: length 21.3
  T w0.2: U12.H9 v1(57.4,24.01) ; v1(44.3,25.61) U9.AD20
  IN6 w0.13: v1(44.3,25.61) 44.3,25.82 45.35,26.86 45.35,27.34 45.58,27.57 45.98,27.57 46.18,27.77 46.18,28.07 46.36,28.25 47.89,28.25 47.95,28.31 47.95,28.66 48.01,28.72 48.49,28.72 48.55,28.66 48.55,28.31 48.61,28.25 49.09,28.25 49.15,28.31 49.15,28.66 49.21,28.72 49.69,28.72 49.75,28.66 49.75,28.31 49.81,28.25 54.46,28.25 55.13,27.58 56.97,27.58 57.84,26.71 57.84,24.45 v1(57.4,24.01)
DRAM_CA2_B: length 21.3
  T w0.2: v1(44.3,17.16) U9.AC7 ; U12.R9 v1(57.4,19.46)
  IN6 w0.13: v1(44.3,17.16) 43.97,17.5 43.52,17.5 43.33,17.69 43.33,19.43 43.37,19.47 43.43,19.47 43.47,19.51 43.47,19.82 43.43,19.86 43.37,19.86 43.33,19.9 43.33,20.54 43.52,20.73 45.08,20.73 45.39,21.04 56.29,21.04 56.42,21.17 56.94,21.17 57.82,20.3 57.82,19.97 57.4,19.55 v1(57.4,19.46)
DRAM_CA3_A: length 21.1
  T w0.2: U12.H10 v1(57.5,23.31) ; v1(45.6,25.61) U9.AE20
  IN6 w0.13: v1(57.5,23.31) 57.13,23.31 56.96,23.48 56.96,23.5 56.78,23.68 56.61,23.68 56.33,23.96 56.33,25.55 55.94,25.94 55.21,25.94 54.3,26.85 52.8,26.85 52.67,26.72 51.6,26.72 51.43,26.89 50.67,26.89 50.63,26.93 50.06,26.93 49.91,26.78 49.59,26.78 49.55,26.82 49.55,27.43 49.51,27.46 49.21,27.46 49.17,27.43 49.17,26.82 49.13,26.78 48.83,26.78 48.79,26.82 48.79,27.43 48.75,27.46 48.45,27.46 48.41,27.43 48.41,26.82 48.37,26.78 48.07,26.78 48.03,26.82 48.03,27.43 47.99,27.46 47.69,27.46 47.65,27.43 47.65,26.82 47.61,26.78 47.31,26.78 47.27,26.82 47.27,27.43 47.23,27.46 46.93,27.46 46.89,27.43 46.89,26.82 46.85,26.78 46.77,26.78 v1(45.6,25.61)